# Altium PCB wtc_spi.PcbDoc (part 2 of 2)
Units mm, origin at the board's own origin, x right, y up, seen from the top; angles counter-clockwise.
Board outline 131 x 99 mm, 2 copper layers (Top Layer, Bottom Layer), stack 1.571 mm thick; 159 components, 104 nets, 783 pads, 158 vias.
Unrouted connection lines stored in the file: 1.
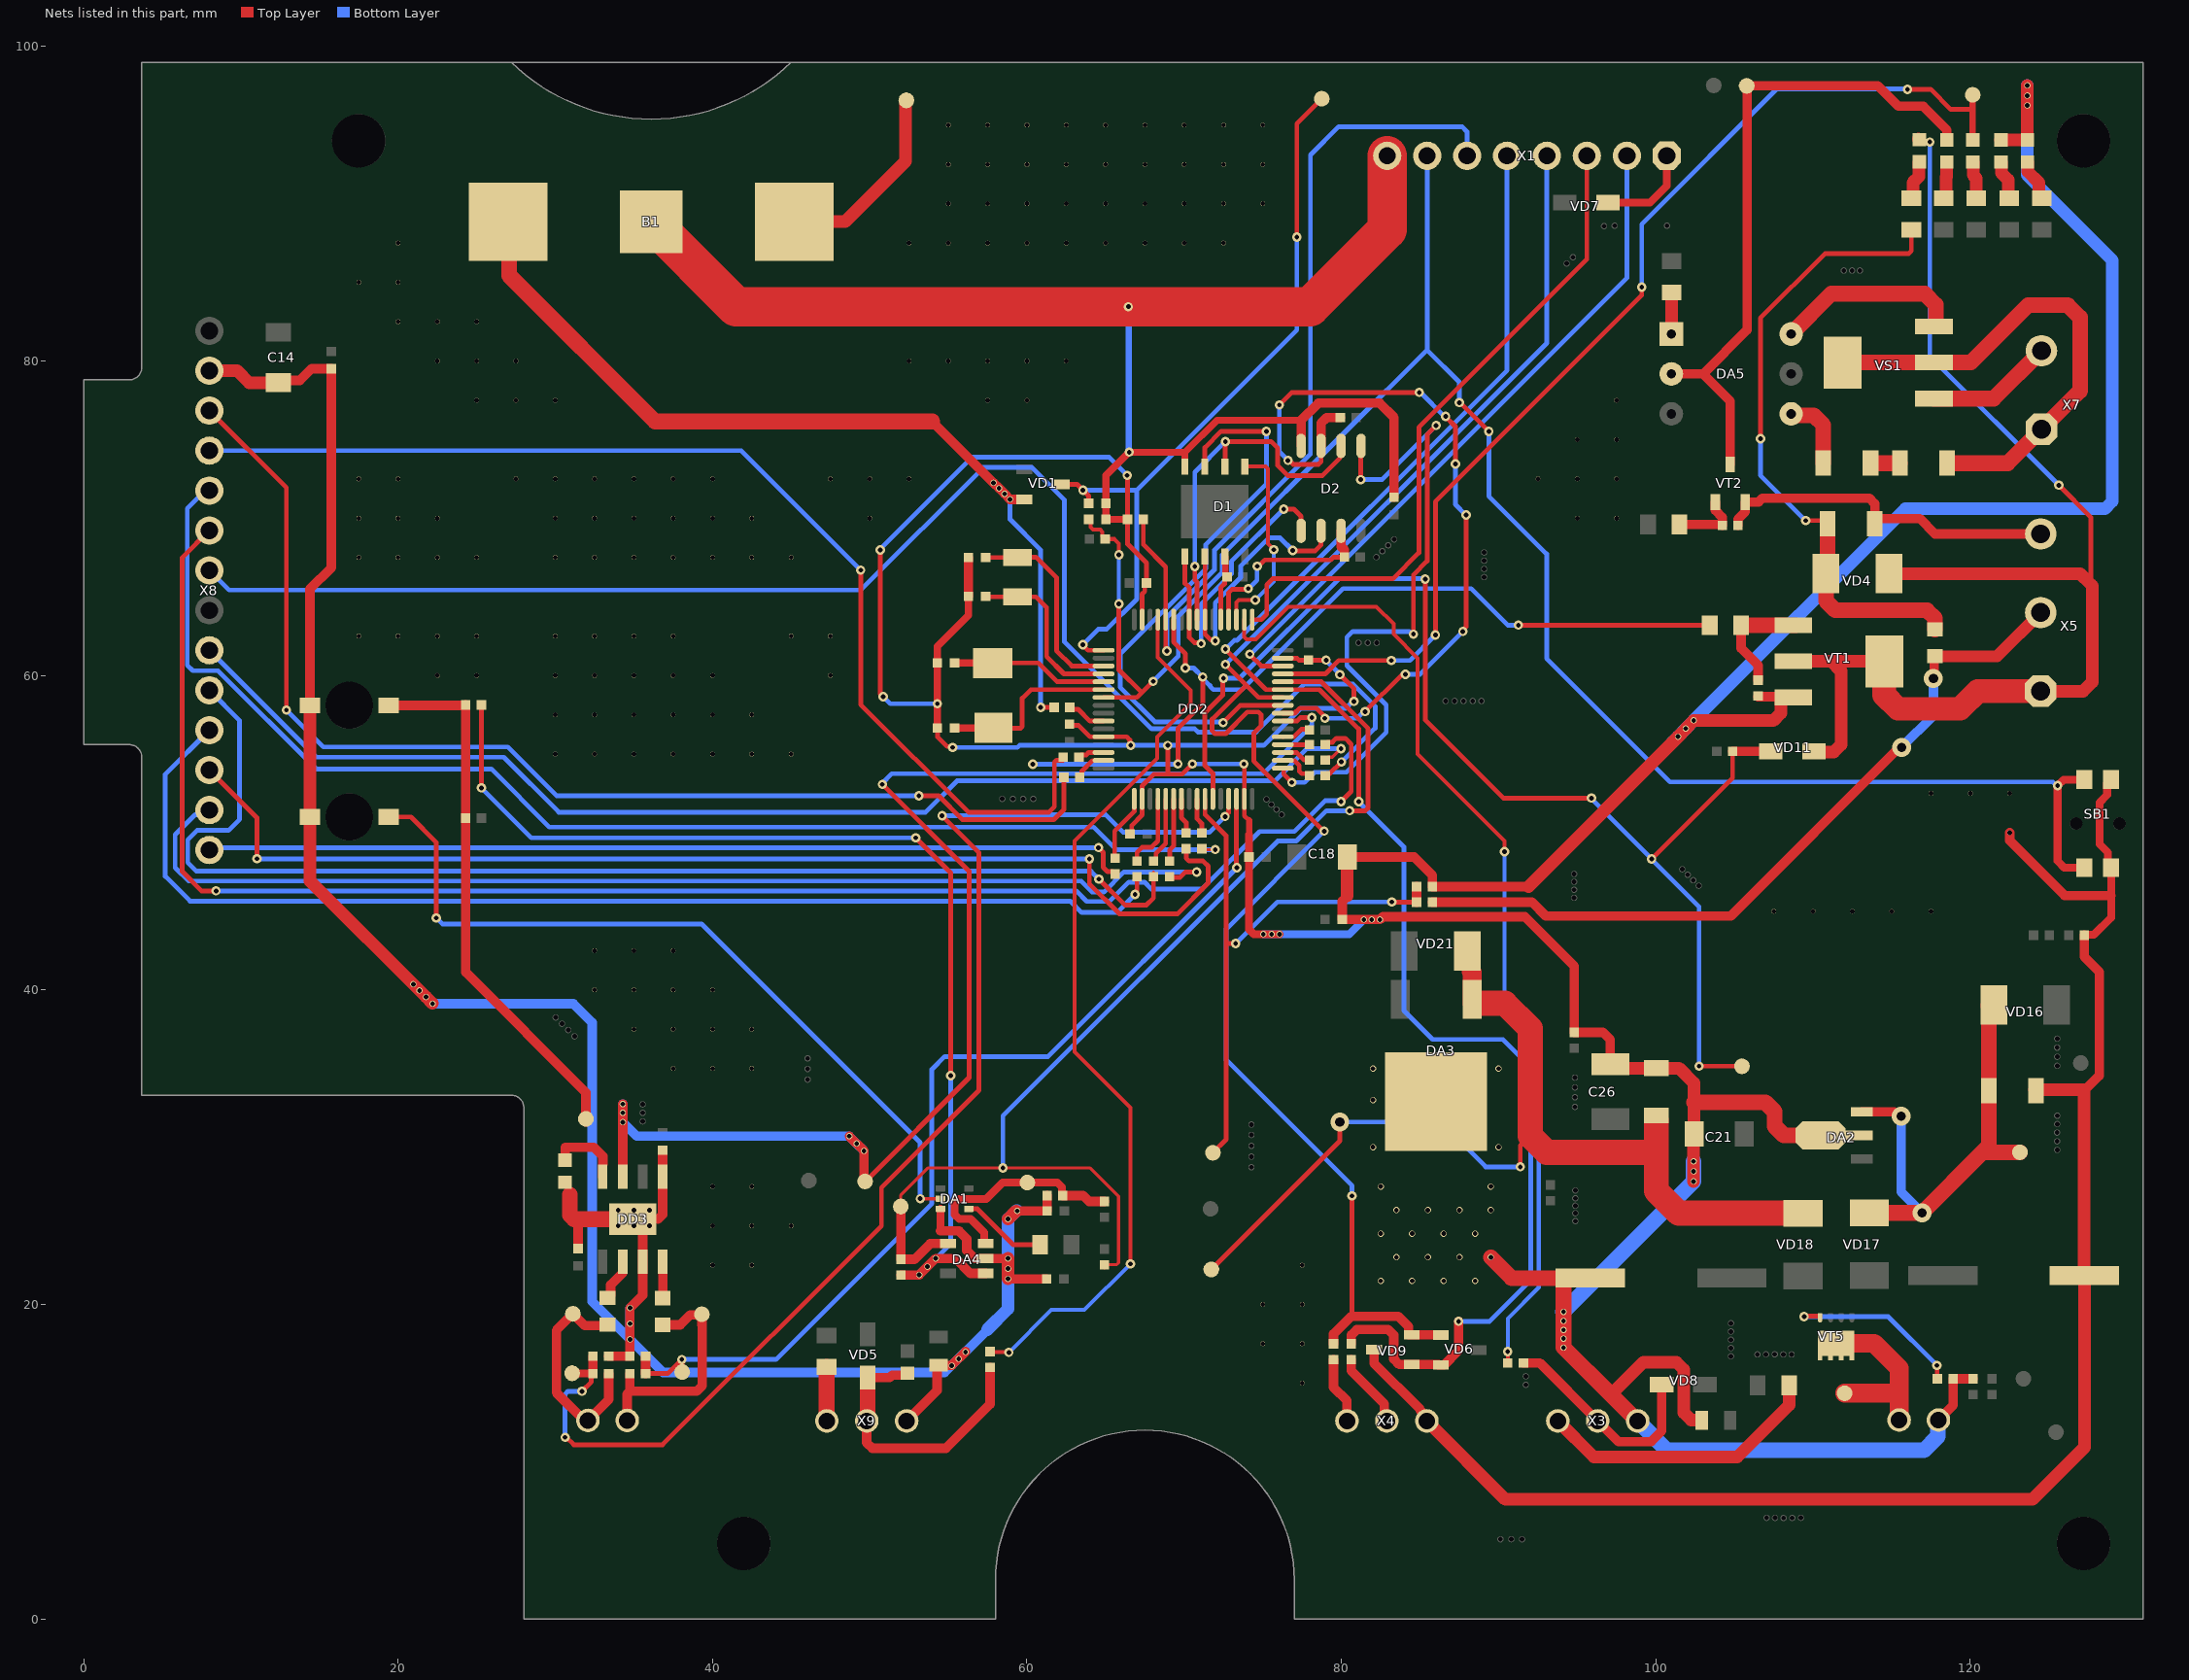
[diagram p2: the nets of this part, all layers, seen from the top]

## Via types
v1: diameter 0.6, hole 0.3, Top Layer to Bottom Layer, tented both sides, 130 vias
v2: diameter 0.4, hole 0.3, Top Layer to Bottom Layer, tented both sides, 23 vias
v3: diameter 1.2, hole 0.6, Top Layer to Bottom Layer, tented both sides, 5 vias

## Nets (pads, with @x,y where several pads share a name; then routed paths per layer and width w, separated by ;. In a path a pad name is that pad's centre, name@x,y a point inside that pad or via, vN(x,y) a via of type N, cw(c..) or ccw(c..) an arc to the next point about the centre after c; other vN are vias at no path point) (continued)
BIN2: DD2.39 DD3.3 pad.114 pad.115 pad.116 pad.123 pad.124 pad.125 TP7.0 | length 86.6
  Top Layer w0.3: TP7.0@49.809,27.909 56.325,34.425 56.325,47.55 v1(50.8,53.075) ; DD2.39@76.275,57.1 77.175,57.1 77.4,57.325 v1(78.125,57.325)
  Top Layer w0.6: DD3.3@34.29,28.125 pad.123@34.289,32.742 ; pad.115@48.7,30.7 pad.114@49.638,29.762 49.638,27.887 TP7.0@49.7,27.825
  Bottom Layer w0.3: v1(50.8,53.075) 50.8,53.152 51.398,53.75 75.025,53.75 78.125,56.85 v1(78.125,57.325)
  Bottom Layer w0.6: pad.123@34.289,32.742 pad.125@34.293,32.186 pad.124@34.3,31.592 35.192,30.7 pad.115@48.7,30.7 pad.116@49.169,30.231 pad.114@49.575,29.825
BOOT: DD2.60 R33.2 X1.6 | length 56.7
  Top Layer w0.3: R33.2@67.4,69.925 67.4,68.325 68.825,66.9 DD2.60@68.825,63.55 68.825,61.856 68.843,61.839 68.843,61.607 v1(68.9,61.55)
  Bottom Layer w0.3: v1(68.9,61.55) 68.9,63.7 71.925,66.725 71.925,67.975 78.025,74.075 78.025,93.1 79.825,94.9 87.675,94.9 87.99,94.585 X1.6@87.99,93.05
D1_CS: D1.1@73.855,73.285 DD2.51 | length 12.9
  Top Layer w0.25: DD2.51@73.325,63.55 73.325,64.654 73.471,64.8 v1(74.525,64.8) ; D1.1@73.855,73.285 75.179,73.285 75.325,73.139 75.325,68.375 v1(75.7,68)
  Bottom Layer w0.25: v1(74.525,64.8) 75.7,65.975 v1(75.7,68)
D_COM_EN: R28.1 X8.12 | length 75.7
  Top Layer w0.3: X8.12@8,76.84 12.9,71.94 v1(12.9,57.8) ; v1(53.125,52.35) 54.375,52.35 55.9,50.825 61.7,50.825 62.35,51.475 R28.1@62.35,53.525
  Bottom Layer w0.3: v1(12.9,57.8) 15.25,55.45 26.975,55.45 30.075,52.35 v1(53.125,52.35)
D_MISO: R24.1 X8.6 | length 79.2
  Top Layer w0.2: R24.1@78.975,54.625 79.15,54.8 79.425,54.8 v1(79.975,55.35)
  Bottom Layer w0.3: X8.6@8,61.6 14.8,54.8 26.725,54.8 30.225,51.3 53.55,51.3 55.55,53.3 75.775,53.3 77.825,55.35 v1(79.975,55.35)
D_MOSI: R25.1 X8.9 | length 105.8
  Top Layer w0.3: X8.9@8,69.22 6.275,67.495 6.275,47.525 7.5,46.3 v1(8.425,46.3) ; R25.1@78.975,55.6 79.125,55.75 79.425,55.75 79.675,56 80.249,56 80.625,55.624 80.625,52.625 v1(79.975,51.975)
  Bottom Layer w0.3: v1(8.425,46.3) 63.125,46.3 63.8,45.625 65.25,45.625 66.475,46.85 67.475,46.85 67.9,46.425 71.15,46.425 74.8,50.075 77,50.075 78.957,52.032 79.918,52.032 v1(79.975,51.975)
D_RES: R27.1 X8.11 | length 72.1
  Top Layer w0.2: R27.1@62.28,54.609 R27.1@62.472,54.8
  Top Layer w0.3: v1(49.425,66.7) 49.425,58.15 56.275,51.3 61.4,51.3 61.75,51.65 61.75,54.491 61.867,54.609 R27.1@62.28,54.609
  Bottom Layer w0.3: X8.11@8,74.3 41.825,74.3 v1(49.425,66.7)
D_SCK: R23.1 X8.8 | length 97.8
  Top Layer w0.3: R23.1@78.975,53.625 79.125,53.775 79.275,53.775 v1(80,54.5)
  Bottom Layer w0.3: X8.8@8,66.68 9.25,65.43 49.43,65.43 57.225,73.225 60.325,73.225 62.375,71.175 62.375,62.15 67.924,56.601 70.674,56.601 70.875,56.4 74.575,56.4 77.625,59.45 80.75,59.45 82.15,58.05 82.15,56.65 v1(80,54.5)
DATA/COMM: R38.1 X8.10 | length 83
  Top Layer w0.2: R38.1@71.125,48.975 71.175,48.925 v1(71.975,48.925)
  Bottom Layer w0.3: X8.10@8,71.76 7.736,71.76 6.594,70.618 6.594,60.655 6.949,60.3 8.55,60.3 14.8,54.05 25.924,54.05 29.624,50.35 64.25,50.35 65.675,48.925 v1(71.975,48.925)
DP_SWITCH: DD2.61 R41.1 | length 57.7
  Top Layer w0.25: R41.1@57.65,17 57.675,16.975 58.825,16.975 v1(58.85,16.95) ; v1(66.575,22.575) 66.575,32.525 63.025,36.075 63.025,49.475 68.275,54.725 68.275,56.075 70.425,58.225 70.425,59.05 68.325,61.15 DD2.61@68.325,63.55
  Bottom Layer w0.25: v1(58.85,16.95) 61.55,19.65 63.65,19.65 v1(66.575,22.575)
DRV_A_1_CNTR: DD2.29 R7.1 R8.2 TP2.0 | length 83.6
  Top Layer w0.2: v1(72.596,51.029) 72.825,51.257
  Top Layer w0.3: v1(30.625,11.55) 30.706,11.55 31.181,11.075 36.825,11.075 50.75,25 50.75,27.425 56.95,33.625 56.95,48.725 v1(54.6,51.075) ; v1(31.7,14.475) 32.294,15.069 32.294,15.519 R7.1@32.388,15.612 ; 72.825,51.257 DD2.29@72.825,52.15
  Top Layer w0.5: TP2.0@31.075,15.625 31.087,15.613 32.387,15.613 R7.1@32.4,15.6
  Top Layer w0.6: R7.1@32.4,15.6 R8.2@32.4,16.7
  Bottom Layer w0.3: v1(30.625,11.55) 30.625,14.299 30.801,14.475 v1(31.7,14.475) ; v1(54.6,51.075) 59.803,51.075 59.878,51.15 65,51.15 66.125,50.025 71.593,50.025 v1(72.596,51.029)
DRV_A_2_CNTR: DD2.30 R9.1 R10.2 TP3.0 | length 62.2
  Top Layer w0.3: R9.1@35.75,15.6 37.15,15.6 v1(38.05,16.5) 38.062,16.488 38.062,15.712 TP3.0@38.075,15.7 ; DD2.30@73.325,52.15 73.325,47.8 v1(73.35,47.775)
  Top Layer w0.6: R9.1@35.75,15.6 R10.2@35.75,16.7
  Bottom Layer w0.3: v1(38.05,16.5) 44.034,16.5 53.95,26.416 53.95,34.95 54.762,35.763 61.338,35.763 v1(73.35,47.775)
FRAM_CS: D2.1 DD2.33 | length 42.6
  Top Layer w0.2: DD2.33@76.275,54.1 DD2.33@76.632,54.1
  Top Layer w0.3: DD2.33@76.275,54.1 76.325,54.1 76.325,53.725 v1(76.85,53.2) ; v1(81.225,72.45) 81.235,72.46 81.235,74.59 D2.1@81.245,74.6 ; v1(84.575,62.625) 84.575,66.4 85.45,67.275 85.45,75.325 v1(86.025,75.9)
  Bottom Layer w0.3: v1(76.85,53.2) 77.65,53.2 78.3,53.85 80.325,53.85 82.85,56.375 82.85,58.125 80.35,60.625 80.35,62.425 80.725,62.8 84.319,62.8 84.494,62.625 v1(84.575,62.625) ; v1(81.225,72.45) 82.575,72.45 v1(86.025,75.9)
FRAM_HOLD: D2.7 DD2.52 R2.1 | length 12.3
  Top Layer w0.3: DD2.52@72.825,63.55 72.825,65.275 73.02,65.47 74.02,65.47 v1(74.075,65.525) ; v1(74.65,66.95) 74.731,66.95 75.131,67.35 79.325,67.35 79.5,67.525 R2.1@80.2,67.525
  Top Layer w0.6: D2.7@79.975,69.2 79.975,68.2 80.2,67.975 R2.1@80.2,67.525
  Bottom Layer w0.3: v1(74.075,65.525) 74.102,65.525 74.627,66.05 74.627,66.927 v1(74.65,66.95)
FRAMS_WP: D2.3 DD2.40 R1.1 | length 49.9
  Top Layer w0.3: v1(76.05,77.2) 76.85,78 v1(84.95,78) ; DD2.40@76.275,57.6 77.025,57.6 77.35,57.925 78.4,57.925 78.95,57.375 v1(78.95,57.275) ; v1(76.6,73.675) 76.681,73.675 76.931,73.425 78.529,73.425 78.705,73.601 D2.3@78.705,74.6 ; v1(81.5,57.7) 83.838,60.038 84.038,60.038 v1(84.075,60.075) ; v1(86.625,76.475) 86.625,76.452 87.25,75.827 v1(87.25,73.45) ; v1(87.725,62.8) 87.725,62.881 87.925,63.081 v1(87.925,70.2)
  Top Layer w0.6: D2.3@78.705,74.6 78.705,76.049 79.056,76.4 R1.1@79.925,76.4
  Bottom Layer w0.3: v1(76.05,77.2) 76.05,74.225 v1(76.6,73.675) ; v1(78.95,57.275) 80.994,57.275 81.419,57.7 v1(81.5,57.7) ; v1(84.075,60.075) 85,60.075 v1(87.725,62.8) ; v1(84.95,78) 85.025,78 86.55,76.475 v1(86.625,76.475) ; v1(87.25,73.45) 87.25,70.875 v1(87.925,70.2)
GND: B1.2 C1.1 C2.1 C3.2 C4.1 C5.2 C6.1 C7.1 C8.1 C9.2 C10.1 C11.1 C12.1 C13.1 C14.2 C15.1 C16.1 C17.1 C18.2 C19.1 C20.1 C21.2 C22.1 C23.2 C24.1 C25.2 C26.2 C27.1 C28.1 C29.1 D1.4 D2.4 DA1.3 DA2.1 DA3.1 DA4.2 DD2.12 DD2.18 DD2.31 DD2.47 DD2.63 DD3.1 DD3.7 pad.11 pad.12 pad.13 pad.14 pad.15 pad.16 pad.17 pad.18 pad.19 pad.20 pad.27 pad.28 pad.29 pad.33 pad.34 pad.35 pad.36 pad.85 pad.86 pad.110 pad.111 pad.112 pad.126 pad.127 pad.128 pad.129 pad.163 pad.168 pad.169 pad.170 pad.171 pad.172 pad.173 pad.175 pad.176 pad.177 pad.178 pad.179 pad.180 pad.181 pad.182 pad.183 pad.184 pad.185 pad.186 pad.187 pad.188 pad.189 pad.190 pad.191 pad.192 pad.193 pad.194 pad.195 pad.196 pad.197 pad.198 pad.199 pad.200 pad.201 pad.202 pad.203 pad.204 pad.205 pad.206 pad.207 pad.208 pad.209 pad.210 pad.211 pad.212 pad.213 pad.214 pad.215 pad.216 pad.217 pad.218 pad.219 pad.220 pad.221 pad.222 pad.223 pad.224 pad.225 pad.226 pad.227 pad.228 pad.229 pad.230 pad.231 pad.232 pad.233 pad.234 pad.235 pad.236 pad.237 pad.238 pad.239 pad.240 pad.241 pad.242 pad.243 pad.244 pad.245 pad.246 pad.247 pad.248 pad.249 pad.250 pad.251 pad.252 pad.253 pad.254 pad.255 pad.256 pad.257 pad.258 pad.259 pad.260 pad.261 pad.262 pad.263 pad.264 pad.265 pad.266 pad.267 pad.268 pad.269 pad.270 pad.271 pad.272 pad.273 pad.274 pad.275 pad.276 pad.277 pad.278 pad.279 pad.280 pad.281 pad.282 pad.283 pad.284 pad.285 pad.286 pad.287 pad.288 pad.289 pad.290 pad.291 pad.292 pad.293 pad.294 pad.295 pad.296 pad.297 pad.298 pad.299 pad.300 pad.301 pad.304 pad.305 pad.306 pad.307 pad.311 pad.317 pad.324 pad.325 pad.326 pad.333 pad.334 pad.335 pad.337 pad.338 pad.339 pad.340 pad.341 pad.342 pad.343 pad.344 pad.345 pad.346 pad.347 pad.348 pad.349 pad.350 pad.351 pad.352 pad.353 pad.354 pad.355 pad.356 pad.357 pad.358 pad.359 R3.1 R8.1 R10.1 R16.1 R26.1 R32.1 R33.1 R36.1 R37.1 R42.1 R60.1 R61.1 SB1.2 VD9.3 VD10.2 VD14.2 VD15.2 VT1.3 VT2.3 VT3.2 X1.8 X3.3 X4.3 X5.3 X6.2 X8.13 X9.3 | length 739.7
  Top Layer w0.3: v1(50.675,67.975) 50.675,58.825 v1(50.85,58.65) ; C27.1@54.3,56.65 54.324,56.626 54.324,56.076 54.918,55.482 55.218,55.482 v1(55.275,55.425) ; C3.2@62.7,56.975 62.843,56.832 63.268,56.832 64,56.1 64.325,56.1 DD2.12@64.875,56.1 66.338,56.1 66.543,55.895 66.543,55.607 v1(66.6,55.55) ; v1(66.375,72.725) 66.387,72.713 66.387,69.938 R33.1@66.4,69.925 66.4,68.35 67.6,67.15 C15.1@67.6,65.875 67.494,65.769 67.494,65.344 67.325,65.175 67.325,64.1 DD2.63@67.325,63.55 ; C10.1@66.483,49.983 66.564,49.983 66.656,50.075 66.656,50.456 67.325,51.125 DD2.18@67.325,52.15 67.325,52.7 67.325,52.975 68.075,53.725 68.95,53.725 ; v1(68.95,55.55) 68.95,53.725 ; v1(70.525,54.375) 69.875,53.725 68.95,53.725 ; v1(73.8,54.375) 73.825,54.35 73.825,51.075 74.125,50.775 ; DD2.47@76.275,61.1 77.175,61.1 77.3,60.975 C9.2@77.9,60.975 v1(79.025,60.975) ; v1(79.9,60.05) 80.8,59.15 v1(80.8,58.35)
  Top Layer w0.4: 74.125,49.875 74.125,50.775
  Top Layer w0.45: C27.1@54.3,56.65 C28.1@54.3,60.8 54.3,61.85 56.275,63.825 C6.1@56.275,65.025 ; C4.1@65.025,69.925 65.025,72.725 v1(66.5,74.2) 66.514,74.186 70.045,74.186 ; C4.1@65.136,69.925 R33.1@66.4,69.925 ; D1.4@70.045,73.285 70.045,74.186 ; 77.435,76.235 72.094,76.235 70.045,74.186
  Top Layer w0.5: R10.1@34.75,16.675 34.725,16.7 R10.1@34.75,16.7 ; DD3.1@34.925,25.425 36.537,25.425 ; 54.5,24.675 DA1.3@54.5,26.075 ; 74.125,49.875 C13.1@74.125,48.45 74.125,43.843 74.418,43.55 pad.17@75.034,43.55 pad.36@75.559,43.55 pad.16@76.059,43.55 ; R60.1@127.25,43.475 127.275,43.5 127.85,43.5 128.95,44.6 128.95,46 SB1.2@128.95,47.775 128.757,47.968 128.757,48.743 128.225,49.275 128.225,51.925 128.7,52.4 128.7,53.125 SB1.2@128.95,53.375
  Top Layer w0.6: C14.2@12.364,78.761 13.761,78.761 14.5,79.5 C17.1@15.75,79.5 15.75,66.85 14.4,65.5 VT3.2@14.4,58.1 ; C2.1@31.45,23.55 31.45,25.132 ; R8.1@33.4,16.7 R10.1@34.725,16.7 ; R10.1@34.75,16.7 pad.111@34.75,17.779 pad.112@34.75,18.777 pad.110@34.75,19.775 35.56,20.585 DD3.7@35.56,22.725 35.56,24.79 DD3.1@34.925,25.425 ; 36.537,25.425 36.83,25.718 DD3.1@36.83,28.125 36.83,29.795 C1.1@36.825,29.8 ; X9.3@52.35,12.591 54.285,14.526 54.285,16.035 C22.1@54.375,16.125 ; C22.1@54.415,16.165 C22.1@54.375,16.125 ; 54.5,24.675 55.675,24.675 56.175,24.175 56.175,23.425 56.675,22.925 56.999,22.925 DA4.2@57.375,22.925 57.751,22.925 pad.11@58.8,22.925 ; pad.13@56.1,17 55.225,16.125 C22.1@54.375,16.125 ; C6.1@56.275,65.025 C5.2@56.275,67.5 ; pad.12@58.8,21.625 C16.1@61.25,21.625 ; pad.15@59.379,25.95 C12.1@61.275,25.95 R26.1@61.275,26.925 ; D2.4@77.435,74.6 77.435,76.235 78.525,77.325 82.425,77.325 83.35,76.4 C19.1@83.35,71.325 ; 80.375,45.975 80.05,45.65 C29.1@80.05,44.475 pad.16@81.425,44.475 pad.36@81.925,44.475 pad.17@82.45,44.475 82.625,44.65 91.675,44.65 94.8,41.525 R61.1@94.8,37.3 96.631,37.3 97.1,36.831 C26.2@97.1,35.306 ; C18.2@80.475,48.45 84.625,48.45 85.775,47.3 R16.1@85.775,46.575 91.9,46.575 ; VD9.3@82.075,17.125 82.075,16.25 85.015,13.31 85.015,13.25 85.43,12.835 X4.3@85.43,12.591 ; R36.1@105.225,69.55 105.225,69.95 105.675,70.4 VT2.3@105.675,71.025 106.525,71.025 106.775,71.275 113.574,71.275 113.925,70.924 C8.1@113.925,69.775 ; R42.1@106.5,58.65 VT1.3@108.175,58.65 ; C8.1@113.925,69.65 C8.1@113.925,69.775 ; X6.2@117.968,12.647 118.9,13.58 R37.1@118.9,15.275 R32.1@120.175,15.275 ; pad.307@122.5,50 122.5,49.5 126,46 128.95,46 ; X5.3@124.475,69 117.75,69 116.775,69.975 114.125,69.975 C8.1@113.925,69.775 ; 127.245,33.6 128.2,34.555 128.2,41.15 127.25,42.1 R60.1@127.25,43.475
  Top Layer w0.8: X8.13@8,79.38 9.77,79.38 10.539,78.611 12.214,78.611 C14.2@12.364,78.761 ; VT3.2@14.4,58.075 14.4,46.925 pad.129@21.775,39.55 pad.126@22.169,39.156 ; pad.12@58.8,21.625 pad.13@58.8,22.275 pad.11@58.8,22.925 ; pad.14@58.8,25.425 pad.15@59.314,25.939 ; 80.375,45.975 C18.2@80.375,48.45 ; X4.3@85.43,12.591 90.421,7.6 123.95,7.6 127.275,10.925 C25.2@127.275,21.825 ; 91.9,46.575 pad.20@101.413,56.108 pad.19@101.914,56.611 ; C26.2@97.1,35.275 97.35,35.025 C24.1@100.025,35.025 101.475,35.025 102.425,34.075 102.425,32.85 C21.2@102.425,30.85 ; 97.137,14.263 99.2,16.325 101.306,16.325 101.775,15.856 101.775,13.119 102.244,12.65 102.925,12.65 C11.1@102.925,12.625 ; pad.19@101.9,56.625 pad.18@102.404,57.145 107.471,57.125 107.939,57.594 107.939,58.5 108.039,58.6 VT1.3@108.175,58.6 ; pad.163@102.4,27.825 pad.163@102.4,28.462 pad.163@102.4,29.1 C21.2@102.4,30.825 ; VD14.2@121.925,94.05 VD14.2@121.95,94.05 VD15.2@123.625,94.05 123.612,94.062 123.62,96.25 123.623,96.875 pad.27@123.625,97.525 ; C20.1@124.075,33.65 127.2,33.65 ; C25.2@127.245,21.83 127.245,33.6
  Top Layer w1: 30.925,26.975 30.925,25.688 31.188,25.425 DD3.1@34.925,25.425 ; v2(89.5,23) 90.825,21.675 C23.2@95.825,21.675 ; C23.2@94.225,21.675 94.125,21.575 pad.33@94.125,19.525 pad.85@94.125,18.95 pad.86@94.125,18.375 ; X3.3@98.84,12.591 98.809,12.591 97.137,14.263 94.125,17.275 pad.35@94.125,17.825 ; 102.425,32.85 106.964,32.85 107.55,32.264 107.55,31.336 108.136,30.75 DA2.1@110.475,30.75 ; pad.35@94.125,17.825 pad.86@94.125,18.375 ; pad.35@94.125,17.825 pad.86@94.125,18.375
  Top Layer w2.5: B1.2@36.1,88.85 41.5,83.45 v1(66.45,83.45) 78,83.45 82.91,88.36 X1.8@82.91,93.05
  Bottom Layer w0.3: v1(50.675,67.975) 50.675,68.05 56.5,73.875 65.225,73.875 v1(66.375,72.725) ; v1(50.85,58.65) 51.3,58.2 v1(54.3,58.2) ; v1(55.275,55.425) 59.4,55.425 59.525,55.55 v1(66.6,55.55) v1(68.95,55.55) 75.057,55.55 77.407,57.9 80.269,57.9 80.719,58.35 v1(80.8,58.35) ; v1(70.525,54.375) v1(73.8,54.375) ; v1(79.025,60.975) 79.025,60.95 79.9,60.075 v1(79.9,60.05)
  Bottom Layer w0.4: v1(66.45,83.45) 66.475,83.425 66.475,74.225 v1(66.5,74.2)
  Bottom Layer w0.5: pad.17@75.034,43.55 pad.36@75.559,43.55 pad.16@76.059,43.55 80.5,43.55 pad.16@81.425,44.475 pad.36@81.925,44.475 pad.17@82.45,44.475
  Bottom Layer w0.6: pad.127@20.97,40.366 21.361,39.971 21.363,39.969 21.774,39.554 21.777,39.552 pad.126@22.2,39.125 31.15,39.125 32.35,37.925 32.35,20.179 pad.111@34.75,17.779 ; pad.110@34.75,19.775 pad.112@34.75,18.777 pad.111@34.75,17.779 ; 57.483,18.4 54.758,15.675 36.854,15.675 pad.111@34.75,17.779
  Bottom Layer w0.8: 57.483,18.4 58.8,19.717 pad.12@58.8,21.625 pad.13@58.8,22.275 pad.11@58.8,22.925 pad.14@58.8,25.425 pad.15@59.352,25.977 ; 101.075,55.775 101.405,56.115 pad.19@101.9,56.625 pad.18@102.404,57.145 115.86,70.6 128.556,70.6 129.025,71.069 129.025,86.408 123.619,91.826 pad.28@123.625,96.25 pad.29@123.625,96.875 pad.27@123.625,97.525
  Bottom Layer w1: pad.33@94.1,19.525 pad.163@102.4,27.825 pad.163@102.4,28.462 pad.163@102.4,29.1 ; X3.3@98.84,12.591 100.706,10.725 117.05,10.725 117.934,11.609 117.934,12.791 X6.2@117.925,12.8
  other v2: 82.5,21.5 84.5,21.5 86.5,21.5 88.5,21.5 83.5,23 85.5,23 87.5,23 82.5,24.5 84.5,24.5 86.5,24.5 88.5,24.5 83.5,26 85.5,26 87.5,26 89.5,26 82.5,27.5 89.5,27.5 82,30 90,30 82,33 82,35 90,35
MEM_CLK: D1.6 D2.6 DD2.55 | length 18.5
  Top Layer w0.3: D1.6@71.325,67.625 DD2.55@71.325,63.55 71.325,62.625 71.693,62.257 71.918,62.257 v1(71.975,62.2) ; v1(76.9,67.95) 76.925,67.925 78.325,67.925 78.685,68.285 78.685,69.18 D2.6@78.705,69.2
  Bottom Layer w0.3: v1@71.975,62.225 71.975,64.625 73.6,66.25 73.6,66.975 75.375,68.75 76.1,68.75 v1(76.9,67.95)
MEM_MISO: D1.2 D2.2 DD2.56 | length 23.9
  Top Layer w0.3: v1(70.675,66.931) 70.675,66.075 70.825,65.925 DD2.56@70.825,63.55 ; D1.2@72.589,73.289 72.605,73.305 72.605,74.855 v1(72.625,74.875) 75.525,74.875 75.95,74.45 75.95,73.35 76.6,72.7 78.775,72.7 79.918,73.843 79.918,74.543 D2.2@79.975,74.6
  Bottom Layer w0.3: v1(70.675,66.931) 70.675,72.925 v1(72.625,74.875)
MEM_MOSI: D1.5 D2.5 DD2.57 | length 19.2
  Top Layer w0.25: D1.5@70.045,67.565 D1.5@70.045,67.6
  Top Layer w0.3: D1.5@70.045,67.565 70.045,65.855 70.325,65.575 DD2.57@70.325,63.55 70.325,62.4 70.643,62.082 71.018,62.082 v1(71.075,62.025) ; v1(76.325,70.575) 76.975,70.575 77.425,70.125 77.425,69.21 D2.5@77.435,69.2
  Bottom Layer w0.3: v1(71.075,62.025) 71.075,64.525 73,66.45 73,67.25 v1(76.325,70.575)
MEM_RST: D1.7 DD2.53 R62.1 | length 4.3
  Top Layer w0.3: DD2.53@72.325,63.55 72.325,64.1 72.325,65.575 72.575,65.825 72.575,66.125 72.704,66.254 R62.1@72.746,66.254
  Top Layer w0.4: D1.7@72.585,67.565 72.61,67.54 72.61,66.855 72.633,66.832 72.633,66.367 R62.1@72.746,66.254
METER_INP: DD2.50 R46.1 | length 63.6
  Top Layer w0.25: DD2.50@73.825,63.55 73.825,62.446 73.971,62.3 74.55,62.3 76.625,64.375 82.225,64.375 83.325,63.275 83.325,62.625 84.85,61.1 84.85,55 90.375,49.475 v1(90.375,48.8) ; R46.1@90.575,16.275 v1(90.575,17)
  Bottom Layer w0.25: v1(90.375,48.8) 90.375,39.725 92.55,37.55 92.55,21.075 90.575,19.1 v1(90.575,17)
NetC5_1: C5.1 DD2.3 Z1.3 | length 13.2
  Top Layer w0.25: C5.1@57.375,67.5 C5.1@57.375,67.55 ; Z1.3@59.4,67.5 Z1.3@59.4,67.526
  Top Layer w0.3: C5.1@57.375,67.5 Z1.3@59.4,67.5 ; Z1.3@59.349,67.526 59.4,67.526 60.574,67.526 61.875,66.225 61.875,61.575 62.85,60.6 DD2.3@64.875,60.6
NetC6_2: C6.2 DD2.4 Z1.1 | length 11.3
  Top Layer w0.3: C6.2@57.4,65 Z1.1@59.4,65 ; Z1.1@59.4,65 60.575,65 61.25,64.325 61.25,61.2 62.35,60.1 DD2.4@64.875,60.1
NetC7_2: C7.2 DD2.1@64.875,61.6 TP1.0 VD1.2 | length 48.8
  Top Layer w0.3: VD1.2@62.225,72.15 63.2,72.15 v1(63.562,71.788) 63.925,71.425 C7.2@63.925,70.9 ; v1(63.55,61.95) 63.55,61.931 63.881,61.6 DD2.1@64.875,61.6 ; v1(77.165,87.884) 77.165,95.09 TP1.0@78.75,96.675
  Bottom Layer w0.3: v1(63.55,61.95) 64.55,62.95 65.079,62.95 66.988,64.859 66.988,71.788 ; v1(63.562,71.788) 66.988,71.788 ; v1(77.165,87.884) 77.165,81.965 66.988,71.788
NetC8_2: C8.2 FU5.1 R44.2 VD4.2 | length 41.3
  Top Layer w0.3: v1(106.65,75.05) 106.65,82.725 110.75,86.825 116.074,86.825 116.25,87.001 R44.2@116.25,88.35 ; v1(109.525,69.85) 110.725,69.85 C8.2@110.925,69.65
  Top Layer w1: C8.2@110.925,69.65 110.925,66.575 VD4.2@110.825,66.475 110.825,64.73 111.411,64.144 117.245,64.144 117.75,63.639 FU5.1@117.75,62.925
  Bottom Layer w0.3: v1(106.65,75.05) 106.65,72.725 v1(109.525,69.85)
NetC20_2: C20.2 DA2.2 TP24.0 VD16.2 VD17.2 | length 30.2
  Top Layer w0.6: DA2.2@113.1,32.25 115.163,32.25 115.438,31.975 v3(115.6,31.975)
  Top Layer w1: VD17.2@113.575,25.825 v3(116.925,25.825) 120.775,29.675 ; VD16.2@121.45,39 121.175,38.725 C20.2@121.175,33.6 121.175,30.075 120.775,29.675 ; TP24.0@123.15,29.675 120.775,29.675
  Top Layer w1.6: VD16.2@121.45,39 VD16.2@121.5,39.05
  Bottom Layer w0.6: v3(115.6,31.975) 115.6,27.15 v3(116.925,25.825)
NetC24_2: C24.2 DA3.2 TP26.0 VD18.2 VD21.2 | length 65.5
  Top Layer w0.25: VD18.2@109.35,25.875 VD18.2@110.15,25.875
  Top Layer w0.3: TP26.0@71.725,22.225 79.9,30.4 v3(79.9,31.6) ; v1(91.375,28.75) 91.375,30.1 92,30.725
  Top Layer w1: VD18.2@109.275,25.8 VD18.2@109.35,25.875
  Top Layer w1.2: VD21.2@88,42.475 88.25,42.225 88.25,41.187 88.315,41.122 DA3.2@88.315,39.4
  Top Layer w1.6: DA3.2@88.515,39.154 90.396,39.154 92,37.55 92,30.725 93.05,29.675 100.025,29.675 ; C24.2@100.025,31.7 100.025,29.675 ; VD18.2@109.275,25.8 101.45,25.8 100.025,27.225 100.025,29.675
  Bottom Layer w0.3: v3(79.9,31.6) 86.325,31.6 89.175,28.75 v1(91.375,28.75)
NetC27_2: C27.2 DD2.6 Z2.1 | length 11.5
  Top Layer w0.3: Z2.1@58.329,56.65 59.594,56.65 59.7,56.756 59.7,58.55 60.25,59.1 DD2.6@64.875,59.1
  Top Layer w0.45: C27.2@55.4,56.65 Z2.1@57.875,56.65 ; Z2.1@57.875,56.675 Z2.1@57.875,56.65 ; Z2.1@58.3,56.65 Z2.1@57.875,56.65
NetC28_2: C28.2 DD2.5 Z2.3 | length 10
  Top Layer w0.3: Z2.3@58.2,60.8 60.725,60.8 61.925,59.6 DD2.5@64.875,59.6
  Top Layer w0.45: C28.2@55.4,60.8 56.844,60.8 Z2.3@58.2,60.8
NetD1_3: D1.3 DD2.41 | length 37.4
  Top Layer w0.3: D1.3@71.315,73.285 71.315,74.49 72.35,75.525 v1(75.225,75.525) ; v1(72.475,57) 73.575,58.1 DD2.41@76.275,58.1
  Bottom Layer w0.3: v1(72.475,57) 72.432,57.043 68.132,57.043 65.925,59.25 65.925,61.35 71.375,66.8 71.375,68.325 75.225,72.175 v1(75.225,75.525)
NetDA1_2: DA1.2 VD10.1 | length 50.1
  Top Layer w0.2: v1(53.213,26.725) DA1.2@54.5,26.725
  Top Layer w0.3: VD10.1@19.4,51 20.825,51 22.425,49.4 v1(22.425,44.575)
  Bottom Layer w0.3: v1(22.425,44.575) 22.451,44.575 22.826,44.2 39.3,44.2 53.213,30.287 v1(53.213,26.725)
NetDA1_4: DA1.4 R49.1 | length 5.5
  Top Layer w0.3: DA1.4@56.3,26.075 56.85,26.075 59.125,23.8 R49.1@60.825,23.8
NetDA4_1: DA4.1 pad.9 pad.10 pad.87 R20.1 R22.2 | length 70
  Top Layer w0.3: v1(25.3,52.85) R22.2@25.3,58.127 ; v1(52.925,49.675) 55.15,47.45 v1(55.15,34.55)
  Top Layer w0.6: R20.1@51.975,21.875 pad.87@53.15,21.875 pad.9@54.2,22.925 55.45,22.925 56.4,21.975 DA4.1@57.375,21.975
  Bottom Layer w0.2: 55.067,23.792 55.15,23.875
  Bottom Layer w0.3: v1(25.3,52.85) 28.475,49.675 v1(52.925,49.675) ; pad.87@53.15,21.875 53.2,21.925 55.067,23.792 ; 55.15,23.875 v1(55.15,34.55)
NetDA4_3: DA4.3 R19.1 R26.2 TP15.0 | length 14.7
  Top Layer w0.5: DA4.3@57.375,23.875 57.325,23.875 57.275,23.925 57.275,24.575 56.425,25.425 55.693,25.425 55.4,25.718 55.4,26.407 55.693,26.7 57.4,26.7 58.45,27.75 61.932,27.75 62.225,27.457 62.225,26.975 R26.2@62.275,26.925
  Top Layer w0.6: R26.2@62.275,26.925 63.575,26.925 63.95,26.55 R19.1@64.925,26.55
NetDA5_1: DA5.1 R13.1 | length 2.6
  Top Layer w0.8: DA5.1@100.98,81.715 100.99,81.725 100.99,84.34 R13.1@101,84.35
NetDA5_2: DA5.2 TP8.0 VD3.2 VT2.2 | length 42.5
  Top Layer w0.6: DA5.2@100.98,79.175 103,79.175 ; VT2.2@104.725,73.425 104.725,77.45 103,79.175 ; TP8.0@105.775,97.5 TP8.0@105.8,97.5 ; VD3.2@118.5,94.05 118.5,94.7 117,96.2 115.425,96.2 114.125,97.5 TP8.0@105.8,97.5 ; 103,79.175 105.8,81.975 TP8.0@105.8,97.5
NetDA5_4: DA5.4 R11.2 | length 4.8
  Top Layer w1: DA5.4@108.6,76.635 108.696,76.539 110.036,76.539 110.65,75.925 R11.2@110.65,73.5
NetDA5_6: DA5.6 VS1.3 | length 12.1
  Top Layer w1: DA5.6@108.6,81.715 111.16,84.275 117.1,84.275 117.8,83.575 117.8,82.2 VS1.3@117.675,82.2
NetDD2_10: DD2.10 R35.2 | length 2.5
  Top Layer w0.25: DD2.10@64.865,57.11 DD2.10@64.875,57.1
  Top Layer w0.3: R35.2@62.725,57.975 62.843,57.857 63.243,57.857 64,57.1 DD2.10@64.865,57.1
NetDD2_14: DD2.14 R27.2 | length 1.7
  Top Layer w0.3: R27.2@63.3,54.8 63.45,54.95 63.623,54.95 63.626,54.953 63.778,54.953 63.925,55.1 DD2.14@64.875,55.1
NetDD2_15: DD2.15 R28.2 | length 2.1
  Top Layer w0.25: DD2.15@64.865,54.59 DD2.15@64.875,54.6
  Top Layer w0.3: R28.2@63.35,53.525 63.5,53.675 63.5,53.925 64.165,54.59 64.315,54.59 64.325,54.6 DD2.15@64.865,54.6
NetDD2_17: DD2.17 R30.2 | length 4.3
  Top Layer w0.3: R30.2@65.575,48.324 65.575,50.1 66.825,51.35 66.825,51.6 DD2.17@66.825,52.15
NetDD2_20: DD2.20 R31.2 | length 4.9
  Top Layer w0.3: R31.2@67,48.2 67,48.75 67.331,49.081 67.931,49.081 68.325,49.475 DD2.20@68.325,52.15
NetDD2_21: DD2.21 R4.2 | length 4.3
  Top Layer w0.25: R4.2@68.05,48.2 R4.2@68.203,48.353
  Top Layer w0.3: R4.2@68.203,48.353 68.203,48.678 68.825,49.3 DD2.21@68.825,52.15
NetDD2_22: DD2.22 R5.2 | length 4.1
  Top Layer w0.3: R5.2@69.075,48.2 69.075,48.9 69.325,49.15 DD2.22@69.325,52.15
NetDD2_23: DD2.23 R6.2 | length 2.3
  Top Layer w0.3: DD2.23@69.825,52.15 69.825,50.95 70.125,50.65 R6.2@70.125,49.975
NetDD2_25: DD2.25 R38.2 | length 2.3
  Top Layer w0.3: DD2.25@70.825,52.15 70.825,50.875 71.125,50.575 R38.2@71.125,49.975
NetDD2_34: DD2.34 R23.2 | length 2.3
  Top Layer w0.25: DD2.34@76.275,54.6 DD2.34@76.285,54.59 ; R23.2@77.851,53.749 R23.2@77.975,53.625
  Top Layer w0.3: DD2.34@76.285,54.59 77.014,54.59 77.322,54.282 77.322,53.895 77.469,53.749 R23.2@77.851,53.749
NetDD2_35: DD2.35 R24.2 | length 1.9
  Top Layer w0.25: DD2.35@76.275,55.1 DD2.35@76.285,55.09
  Top Layer w0.3: DD2.35@76.285,55.09 77.16,55.09 77.625,54.625 R24.2@77.975,54.625
NetDD2_36: DD2.36 R25.2 | length 1.7
  Top Layer w0.3: DD2.36@76.275,55.6 R25.2@77.975,55.6
NetDD2_37: DD2.37 R39.2 | length 1.9
  Top Layer w0.25: DD2.37@76.275,56.1 76.285,56.11 76.985,56.11 ; R39.2@77.929,56.571 R39.2@77.975,56.525
  Top Layer w0.3: 76.985,56.11 77.446,56.571 R39.2@77.929,56.571
NetDD3_4: DD3.4 R3.2 | length 4.8
  Top Layer w0.6: R3.2@30.625,29.175 30.625,30 32.45,30 33.025,29.425 33.025,28.928 33.02,28.923 DD3.4@33.02,28.125
NetDD3_6: DD3.6 FU3.1 | length 2.7
  Top Layer w0.6: FU3.1@33.325,20.425 33.374,20.425 33.524,20.575 33.524,21.249 34.29,22.015 DD3.6@34.29,22.725
NetDD3_8: DD3.8 FU1.1 | length 2.3
  Top Layer w0.6: DD3.8@36.83,22.725 36.83,22.25 36.85,22.23 FU1.1@36.85,20.4
NetFU1_2: FU1.2 R9.2 TP4.0 X2.2 | length 15.1
  Top Layer w0.6: X2.2@34.575,12.625 34.575,14.3 34.75,14.475 ; R9.2@34.75,15.6 34.75,14.475 ; FU1.2@36.825,18.7 37.95,18.7 38.585,19.335 39.285,19.335 TP4.0@39.325,19.375 39.325,18.7 ; 39.35,18.7 39.35,14.826 38.999,14.475 34.75,14.475
NetFU3_2: FU3.2 R7.2 TP5.0 X2.1 | length 14.2
  Top Layer w0.6: FU3.2@33.325,18.65 31.875,18.65 TP5.0@31.125,19.4 30.075,18.35 30.075,14.39 31.84,12.625 X2.1@32.075,12.625 33.4,13.95 R7.2@33.4,15.6
NetFU5_2: FU5.2 R15.2 X5.2 | length 49.2
  Top Layer w0.6: R15.2@85.775,45.575 92.125,45.575 93,44.7 104.775,44.7 115.5,55.425 v3(115.625,55.425) ; v3(117.65,59.8) 117.7,59.85 117.7,61.175 FU5.2@117.75,61.225
  Top Layer w0.75: FU5.2@117.75,61.225 121.7,61.225 X5.2@124.475,64
  Bottom Layer w0.6: v3(115.625,55.425) 117.65,57.45 v3(117.65,59.8)
NetR11_1: R11.1 R12.2 | length 1.9
  Top Layer w1: R11.1@113.65,73.5 R12.2@115.525,73.5
NetR12_1: R12.1 VS1.2 X7.1 | length 32
  Top Layer w1: VS1.2@111.875,79.9 VS1.2@117.675,79.9 120.025,79.9 123.675,83.55 126.2,83.55 126.975,82.775 126.975,78.1 X7.1@124.525,75.65 122.375,73.5 R12.1@118.525,73.5
NetR14_1: R14.1 VD3.1 | length 2.4
  Top Layer w0.8: R14.1@118.3,90.35 118.35,90.35 118.45,90.45 118.45,91.7 118.475,91.725 118.475,92.625 VD3.1@118.5,92.65
NetR18_1: R18.1 R36.2 VT2.1 | length 4.4
  Top Layer w0.6: R18.1@101.5,69.6 104.175,69.6 R36.2@104.225,69.55 104.225,70.05 103.775,70.5 VT2.1@103.775,71.025
NetR22_1: R22.1 R48.1 TP17.0 VT3.1 | length 34.6
  Top Layer w0.6: VT3.1@19.4,58.1 24.275,58.1 R22.1@24.3,58.125 R48.1@24.3,50.925 24.3,41.125 31.95,33.475 TP17.0@31.95,31.615
NetR37_2: R37.2 VT5.1 | length 11.6
  Top Layer w0.3: v1@109.425,19.257 VT5.1@110.437,19.257 VT5.1@110.437,19.232 ; v1(117.875,16.125) 117.887,16.113 117.887,15.287 R37.2@117.9,15.275
  Bottom Layer w0.3: v1(109.425,19.225) 114.775,19.225 v1(117.875,16.125)
NetR40_1: R40.1 R42.2 VT1.1 | length 7.4
  Top Layer w0.6: R40.1@105.425,63.2 105.425,61.725 106.5,60.65 R42.2@106.5,59.7
  Top Layer w1: R40.1@105.425,63.2 108.175,63.2 VT1.1@108.875,63.2
NetR41_2: R41.2 R45.2 VD5.1 X9.2 | length 18.3
  Top Layer w0.6: X9.2@49.81,12.591 49.81,11.201 50.161,10.85 54.85,10.85 57.65,13.65 R41.2@57.65,16 ; VD5.1@49.875,15.35 51.275,15.35 51.425,15.5 52.275,15.5 R45.2@52.4,15.625
  Top Layer w1: X9.2@49.81,12.591 49.875,12.656 VD5.1@49.875,15.35
NetR43_2: R43.2 X9.1 | length 3.4
  Top Layer w1: R43.2@47.25,16.025 47.26,16.025 47.26,12.601 X9.1@47.27,12.591
NetR44_1: R44.1 VD2.1 | length 2.5
  Top Layer w0.8: R44.1@116.25,90.35 116.35,90.45 116.35,91.35 116.725,91.725 116.725,92.65 VD2.1@116.75,92.675
NetR46_2: R46.2 VD8.1 X3.2 | length 14.1
  Top Layer w0.6: R46.2@91.575,16.275 92.616,16.275 X3.2@96.3,12.591 97.616,11.275 99.7,11.275 100.375,11.95 VD8.1@100.375,14.9
NetR47_2: R47.2 X3.1 | length 18.3
  Top Layer w0.8: X3.1@93.76,12.591 96.051,10.3 105.175,10.3 108.475,13.6 R47.2@108.475,14.85
NetR50_1: R50.1 VD13.1 | length 2.4
  Top Layer w0.8: VD13.1@120.15,92.65 120.175,92.625 120.175,91.825 120.375,91.625 R50.1@120.375,90.35
NetR51_1: R51.1 VD14.1 | length 2.5
  Top Layer w0.8: VD14.1@121.95,92.65 121.975,92.625 121.975,91.95 122.414,91.511 122.414,90.411 R51.1@122.475,90.35
NetR54_1: R54.1 VD15.1 | length 2.8
  Top Layer w0.8: VD15.1@123.625,92.65 123.65,92.625 123.65,92.05 124.351,91.349 124.351,90.425 124.451,90.325 R54.1@124.55,90.325
NetR57_1: R57.1 X4.1 | length 4.3
  Top Layer w0.6: R57.1@79.5,16.5 79.5,14.725 80.35,13.875 X4.1@80.35,12.591
NetR59_1: R59.1 X4.2 | length 4.8
  Top Layer w0.6: R59.1@80.625,16.5 80.625,15.775 82.718,13.682 82.718,12.764 X4.2@82.89,12.591
NetTP20_0: TP20.0 VT5.2 X6.1 | length 11.2
  Top Layer w1.2: VT5.2@111.45,17.525 113.885,17.525 115.468,15.942 X6.1@115.468,12.86 ; TP20.0@112,14.35 115.348,14.35 ; X6.1@115.468,12.647 X6.1@115.468,12.74
NetVD2_2: VD2.2 VD4.1 VD11.2 VT1.2 X5.1 | length 82.3
  Top Layer w0.3: VD2.2@116.75,94.075 116.843,93.982 117.368,93.982 v1(117.425,93.925) ; v1(125.625,72.1) 127.659,70.066 127.659,65.791 127.769,65.681
  Top Layer w0.8: VT1.2@108.739,60.9 111.15,60.9 ; VD11.2@110.05,55.175 110.1,55.125 111.306,55.125 111.775,55.594 111.775,60.275 111.15,60.9 ; VT1.2@114.539,60.9 111.15,60.9 ; VD4.1@114.825,66.475 126.975,66.475 127.659,65.791 ; VD2.2@116.7,94.125 VD2.2@116.75,94.075 ; X5.1@124.475,59 127.175,59 127.75,59.575 127.75,65 127.769,65.019 127.769,65.681
  Top Layer w1.5: VT1.2@114.539,60.9 114.525,60.886 114.525,58.754 115.404,57.875 119.347,57.875 120.472,59 X5.1@124.475,59
  Bottom Layer w0.3: v1(117.425,93.925) 117.425,80.3 v1(125.625,72.1)
NetVD7_1: VD7.1 X1.1 | length 6.1
  Top Layer w0.5: VD7.1@96.95,90.075 99.625,90.075 100.69,91.14 X1.1@100.69,93.05
NetVS1_1: VS1.1 X7.2 | length 8.1
  Top Layer w1: VS1.1@117.675,77.6 121.475,77.6 X7.2@124.525,80.65
NRST: C4.2 DD2.7 R34.1 SB1.1 X1.7 | length 124.4
  Top Layer w0.25: C4.2@63.925,69.925 64.052,69.798 64.052,69.421 64.198,69.275 64.654,69.275 64.8,69.129 64.8,68.85 R34.1@64.975,68.675 65.554,68.675 65.85,68.379 v1(65.85,67.675)
  Top Layer w0.3: DD2.7@64.875,58.6 67,58.6 67.3,58.9 ; v1(65.85,64.55) 65.85,60.35 67.3,58.9 ; v1(68.025,59.625) 67.3,58.9 ; v1@87.569,77.331 v1(89.375,75.525)
  Top Layer w0.5: v1(87.5,77.35) 87.519,77.331 v1@87.569,77.331 ; SB1.1@127.25,47.775 125.975,47.775 125.55,48.2 v1(125.55,53) 125.925,53.375 SB1.1@127.25,53.375
  Bottom Layer w0.25: v1(65.85,64.55) v1(65.85,67.675)
  Bottom Layer w0.3: v1(68.025,59.625) 69.625,61.225 69.625,63.775 72.425,66.575 72.425,67.675 80.394,75.644 85.45,80.7 ; X1.7@85.45,93.05 85.45,80.7 ; v1(87.5,77.35) 87.5,78.65 85.45,80.7 ; v1(89.375,75.525) 89.375,71.4 93.05,67.725 93.05,61.075 100.9,53.225 125.244,53.225 125.469,53 v1(125.55,53)
OBST: DA4.4 DD2.44 R20.2 R21.1 TP16.0 | length 74.4
  Top Layer w0.2: TP16.0@51.975,26.225 51.975,26.956 53.694,28.675 64.025,28.675 65.825,26.875 65.825,22.65 65.708,22.533 65.125,22.533 64.933,22.341 R21.1@64.933,22.333
  Top Layer w0.3: DD2.44@76.275,59.6 78.725,59.6 81.7,56.625 81.7,51.576 81.524,51.4 v1(80.525,51.4)
  Top Layer w0.6: TP16.0@51.975,26.225 R20.2@51.975,22.875 51.976,22.874 52.849,22.874 53.85,23.875 54.599,23.875 DA4.4@54.975,23.875
  Bottom Layer w0.3: v1(58.475,28.675) 58.475,32 75.95,49.475 77.125,49.475 79.05,51.4 v1(80.525,51.4)
RELAY_1_CNTR: DD2.27 R17.1 TP11.0 VD11.1 | length 79.5
  Top Layer w0.3: DD2.27@71.825,52.15 71.825,53.77 71.3,54.295 71.3,57.6 72.45,58.75 72.45,59.775 v1(72.5,59.825) ; v1(85.325,66.125) 85.325,57.175 90.3,52.2 v1(95.9,52.2) ; v1(99.725,48.325) 104.875,53.475 R17.1@104.875,55.175 ; v1(102.75,35.15) TP11.0@105.475,35.15
  Top Layer w0.6: R17.1@104.875,55.175 VD11.1@107.3,55.175
  Bottom Layer w0.3: v1(72.5,59.825) 73.525,59.825 79.85,66.15 85.3,66.15 v1(85.325,66.125) ; v1(95.9,52.2) 95.9,52.175 99.725,48.35 v1(99.725,48.325) 102.75,45.3 v1(102.75,35.15)
RELAY_1_ON: DD2.59 R40.2 | length 56.4
  Top Layer w0.3: DD2.59@69.325,63.55 69.325,62.125 70.075,61.375 v1(70.075,60.475) ; v1(69.6,54.375) 69.6,56.625 71.175,58.2 v1(71.175,59.9) ; v1(91.25,63.2) R40.2@103.425,63.2
  Bottom Layer w0.3: v1(60.375,54.35) 60.387,54.362 69.588,54.362 v1(69.6,54.375) ; v1(70.075,60.475) 70.6,60.475 v1(71.175,59.9) 71.175,59.819 71.639,59.355 71.639,59.312 71.851,59.1 73.675,59.1 80.1,65.525 88.25,65.525 90.575,63.2 v1(91.25,63.2)
RELAY_PWR_CNTR: DD2.26 R15.1 R16.2 TP10.0 | length 37.6
  Top Layer w0.3: DD2.26@71.325,52.15 71.325,51.15 72.667,49.808 72.667,42.95 ; TP10.0@71.825,29.65 72.667,30.492 72.667,42.95 ; v1(73.275,42.95) 72.667,42.95 ; v1(83.2,45.6) 83.225,45.575 R15.1@84.775,45.575
  Top Layer w0.6: R15.1@84.775,45.575 R16.2@84.775,46.575
  Bottom Layer w0.3: v1(73.275,42.95) 75.925,45.6 v1(83.2,45.6)
RX: DD2.43 R59.2 VD6.3 VD9.1 X1.5 | length 108.9
  Top Layer w0.3: v1(72.625,61.675) 75.2,59.1 75.725,59.1 DD2.43@76.275,59.1 78.6,59.1 81.1,56.6 v1(81.1,51.975)
  Top Layer w0.6: R59.2@80.625,17.5 80.625,18.049 80.976,18.4 82.975,18.4 83.327,18.048 83.327,16.526 83.679,16.175 VD9.1@84.475,16.175 VD6.3@86.175,16.175 ; VD6.3@86.175,16.15 VD6.3@86.325,16.15 86.525,16.15 87.45,17.075 v1(87.45,18.925)
  Bottom Layer w0.3: v1(72.625,61.675) 73.174,62.224 73.349,62.224 90.53,79.405 X1.5@90.53,93.05 ; v1(81.1,51.975) 83.975,49.1 83.975,38.675 85.8,36.85 90.275,36.85 92.05,35.075 92.05,21.55 89.425,18.925 v1(87.45,18.925)
SWCLK: DD2.49 X1.3 | length 43.1
  Top Layer w0.3: DD2.49@74.325,63.55 74.9,63.55 75.25,63.9 75.25,65.775 75.625,66.15 83.275,66.15 84.925,67.8 84.925,75.775 95.61,86.46 X1.3@95.61,93.05
SWDIO: DD2.46 X1.2 | length 44.1
  Top Layer w0.3: v1(74.175,61.35) 74.175,61.325 74.9,60.6 DD2.46@76.275,60.6
  Bottom Layer w0.3: v1(74.175,61.35) 74.225,61.35 98.15,85.275 X1.2@98.15,93.05
T_CLK: R4.1 X8.5 | length 78.7
  Top Layer w0.2: R4.1@68.05,47.154 R4.1@68.05,47.5
  Top Layer w0.3: v1(64.575,47.05) 66.225,45.4 67.6,45.4 68.05,45.85 R4.1@68.05,47.154
  Bottom Layer w0.3: X8.5@8,59.057 9.925,57.132 9.925,50.85 9.225,50.15 7.225,50.15 6.625,49.55 6.625,48.1 7.175,47.55 64.075,47.55 v1(64.575,47.05)
T_CS: R31.1 X8.4 | length 74.7
  Top Layer w0.3: v1(66.875,46.075) 66.875,46.156 67,46.281 R31.1@67,47.2
  Bottom Layer w0.3: X8.4@8,56.52 5.2,53.72 5.2,47.225 6.775,45.65 62.75,45.65 63.475,44.925 65.725,44.925 v1(66.875,46.075)
T_IRQ: R30.1 X8.1 | length 58.9
  Top Layer w0.3: v1(64.55,49.049) 64.85,48.749 64.85,47.8 65.125,47.525 65.45,47.525 R30.1@65.6,47.375
  Bottom Layer w0.3: X8.1@8,48.9 8.149,49.049 v1(64.55,49.049)
T_MISO: R5.1 X8.2 | length 73
  Top Layer w0.3: R5.1@68.959,47.15 69.73,47.15 70.08,47.5 v1(70.792,47.5)
  Bottom Layer w0.3: X8.2@8,51.44 7.713,51.153 7.103,51.153 5.825,49.875 5.825,47.775 6.675,46.925 63.45,46.925 64.15,46.225 64.886,46.225 66.161,47.5 v1(70.792,47.5)
T_MOSI: R6.1 X8.3 | length 73.9
  Top Layer w0.3: X8.3@8,53.98 11.025,50.955 v1(11.025,48.35) ; v1(63.975,48.325) 63.975,46.744 65.869,44.85 69.581,44.85 71.526,46.795 71.526,47.874 71.199,48.201 70.301,48.201 70.125,48.377 R6.1@70.125,48.975
  Bottom Layer w0.3: v1(11.025,48.35) 11.037,48.338 63.963,48.338 v1(63.975,48.325)
TX: DD2.42 R57.2 VD6.1 VD9.2 X1.4 | length 107.9
  Top Layer w0.3: v1(72.625,60.7) 73.763,59.562 73.938,59.387 ; DD2.42@76.275,58.6 74.725,58.6 73.938,59.387 ; v1(78.9,50.1) 78.875,50.1 74.422,54.553 74.422,56.322 74.9,56.8 74.9,57.499 74.724,57.675 74.025,57.675 72.65,56.3 71.951,56.3 71.775,56.476 71.775,57.225 73.938,59.387 ; 80.675,19.25 v1(80.675,26.9)
  Top Layer w0.6: R57.2@79.5,17.5 79.5,18.125 80.625,19.25 83.6,19.25 84.275,18.575 84.275,18.075 VD9.2@84.475,18.075 86.175,18.075 VD6.1@86.375,18.075
  Bottom Layer w0.3: v1(72.625,60.7) 93.07,81.145 X1.4@93.07,93.05 ; v1(78.9,50.1) 72.675,43.875 72.675,35.55 80.675,27.55 v1(80.675,26.9)
uC_LED: DD2.45 TP18.0 VD13.2 | length 70.3
  Top Layer w0.3: DD2.45@76.275,60.1 78.975,60.1 79.825,60.95 v1(83.175,60.95) ; v1(85.975,62.575) 85.975,71.05 99.1,84.175 v1(99.1,84.7) ; v1(116,97.275) 117.475,97.275 118.75,96 120.125,96 120.15,95.975
  Top Layer w0.4: VD13.2@120.15,94.05 120.15,95.975 TP18.0@120.15,96.925
  Bottom Layer w0.3: v1(83.175,60.95) 84.35,60.95 v1(85.975,62.575) ; v1(99.1,84.7) 99.1,88.7 107.7,97.3 115.975,97.3 v1(116,97.275)
Vbat: B1.1 pad.61 pad.62 pad.63 pad.64 R35.1 TP23.0 VD1.3 | length 70.9
  Top Layer w0.2: R35.1@61.525,57.975 R35.1@61.6,58.05
  Top Layer w0.3: v1(60.875,57.975) R35.1@61.525,57.975
  Top Layer w0.6: 53.975,76.15 pad.62@57.875,72.25 pad.63@58.225,71.9 pad.64@58.575,71.55 58.925,71.2 VD1.3@59.825,71.2
  Top Layer w0.8: B1.1@45.2,88.85 45.206,88.856 48.431,88.856 52.285,92.71 52.285,96.553 TP23.0@52.3,96.567
  Top Layer w1: B1.1@27,88.85 27.064,88.786 27.064,85.436 36.35,76.15 53.975,76.15
  Bottom Layer w0.3: pad.62@57.875,72.25 pad.63@58.225,71.9 pad.64@58.575,71.55 pad.61@58.925,71.2 58.925,69.925 60.875,67.975 v1(60.875,57.975)
pads on no net: C14. C18. C21. C26. D1.0 D1.1@74.95,73.925 D1.9 D2.28 DA1.1 DA1.5 DA2. DA3. DA4. DA5.3 DA5.5 DD2. DD2.1@65.175,63.25 DD2.2 DD2.24 DD2.28 DD2.54 DD2.58 DD3.28 SB1.360 SB1.N VD1. VD4. VD5. VD6. VD7. VD8. VD9. VD11. VD16. VD17. VD18. VD21. VS1. VT1. VT2. VT5.NONE X5.11 X7.13
copper on no net: | length 0
  Bottom Layer w0.2: 69.225,22.35 69.237,22.363 ; 69.237,29.162 69.25,29.175

## Polygon pours and split planes (outlines as drawn)
GND on Top Layer "GND_L01_P006" (solid, pour order 6): 37.5,2.5 106.171,2.5 ccw(c106.171,18.985) 117.828,7.328 125.526,15.026 ccw(c114.726,25.826) 130,25.831 130,30.503 ccw(c127.503,30.503) 127.503,33 117.003,33 108.003,33 cw(c108.003,36) 105.003,36 105.003,40 cw(c108.003,40) 108.003,43 127.503,43 ccw(c127.503,45.497) 130,45.497 130,97.5 120.5,97.5 ccw(c120.499,92.5) 115.5,92.5 cw(c112,92.5) 112,89 110,89 cw(c110,92.5) 106.5,92.5 ccw(c101.5,92.5) 101.5,97.5 17.5,97.5 ccw(c17.499,95.001) 15,95 15,92.5 cw(c10.001,92.499) 10,87.5 ccw(c9.999,82.501) 5,82.5 5,47.496 ccw(c9.996,47.496) 9.997,42.5 12.503,42.5 cw(c12.503,40.003) 15,40.003 15,37.497 ccw(c17.497,37.497) 17.497,35 28.503,35 cw(c28.503,33.503) 30,33.503 30,10 ccw(c37.5,10)
GND on Top Layer "GND_L01_P008" (solid, pour order 8): 81.5,35.5 81.5,21.5 82.325,20.675 89,20.675 90.5,22.175 90.5,35.7 89.2,37 83,37
+15V on Top Layer "+15V_L01_P009" (solid, pour order 9): 127.275,25.599 99,25.599 99,18.825 115.175,18.825 117,17 127.275,17
GND on Bottom Layer "GND_L02_P005" (solid, pour order 5): 30,10 30,33.5 ccw(c28.5,33.5) 28.5,35 17.5,35 cw(c17.5,37.5) 15,37.5 15,40 ccw(c12.5,40) 12.5,42.5 10,42.5 cw(c10,47.5) 5,47.5 5,82.5 cw(c10,82.5) 10,87.5 ccw(c10,92.5) 15,92.5 15,95 cw(c17.5,95) 17.5,97.5 101.5,97.5 cw(c101.5,92.5) 106.5,92.5 ccw(c110,92.5) 110,89 112,89 ccw(c112,92.5) 115.5,92.5 cw(c120.5,92.5) 120.5,97.5 130.086,97.5 130.086,45.586 cw(c127.5,45.586) 127.5,43 114.5,43 108,43 ccw(c108,40) 105,40 105,36 ccw(c108.125,36) 108.125,32.875 127.625,32.875 cw(c127.625,30.414) 130.086,30.414 130.086,26.243 cw(c113.61,26.242) 125.26,14.592 118.122,7.455 cw(c106.172,19.39) 106.172,2.5 37.5,2.5 cw(c37.5,10)

## Silkscreen, mask and mechanical layers (free items; w line width, h text height)
Top Overlay:
  text "rel1" at 117.167,95.1 h0.8 r90
  text "3,3V" at 122.449,95.1 h0.8 r90
  text "uC" at 120.541,95.05 h0.8 r90
  text "rel2" at 118.917,95.025 h0.8 r90
  text "12V" at 124.975,94.9 h0.8 r90
  text "RX" at 91.1,94.625 h0.8 r90
  text "SWDIO" at 98.766,94.625 h0.8 r90
  text "RES" at 85.991,94.6 h0.8 r90
  text "TX" at 93.675,94.6 h0.8 r90
  text "SWCLK" at 96.216,94.575 h0.8 r90
  text "GND" at 83.466,94.55 h0.8 r90
  text "BOOT" at 88.541,94.55 h0.8 r90
  text "+3,3V" at 101.5,94.45 h0.8 r90
  text "RELAY" at 123.275,84.05 h0.8
  text "Engine" at 36.325,11.975 h0.8
  text "PC" at 77.525,11.134 h0.8
  text "WCNT" at 90.125,11.034 h0.8
  text "PW" at 112.3,10.925 h0.8
  text "GND" at 119.475,9.625 h0.8
  text "+15V" at 111.4,9.575 h0.8
Bottom Overlay:
  drawing of 43 lines, arcs and shapes, not listed

## Text inside footprints (layer, text, board x,y; h text height)
VD10: Top Overlay "C" at 13.876,51.882 h0.8; Top Overlay "A" at 18.875,51.9 h0.8
VT3: Top Overlay "C" at 18.851,59.032 h0.8; Top Overlay "E" at 14.075,59.05 h0.8